# KiCad board PROC099A_PCB.kicad_pcb (continued)
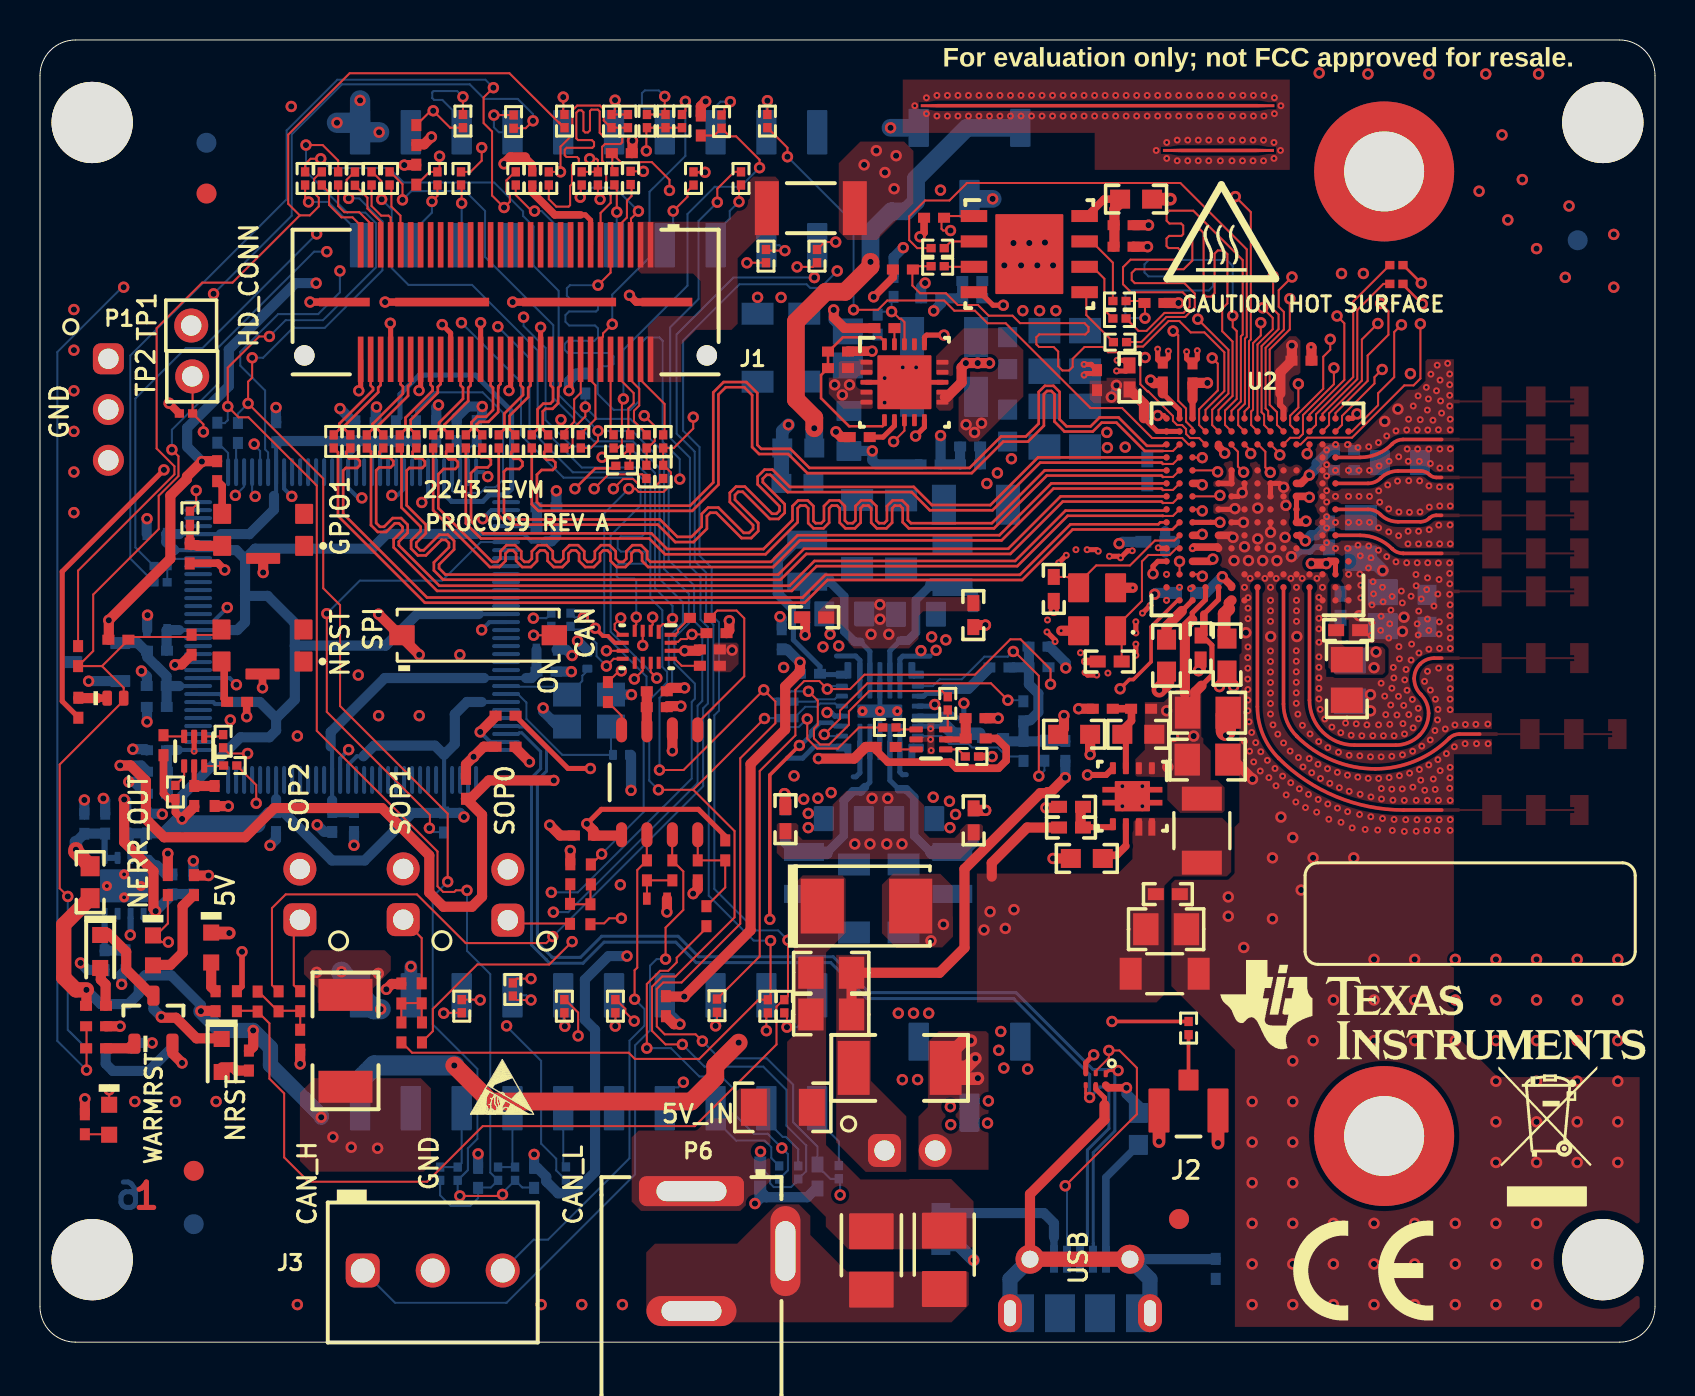
[diagram p0: board, top side]
## Routing (per net, layer and track width the routed paths; a pad name or vN(x,y) marks a point on that pad's centre or on a via; arc(x,y) is an arc through that point) (continued)
  TOP w0.127: v1(69.13,51.94) 68.17,52.91 R198.1
  L3 w0.127: v1(10.81,26.96) 11.4,27.55 21.56,27.55 22.56,28.55 22.56,29.39 23.81,30.64 28.97,30.64 v1(30.98,28.63) ; v1(69.13,51.94) 71.36,49.71 71.36,31.94 67.79,28.37 63.39,28.37 57.43,22.4 57.43,12.81 54.26,9.64 50.67,9.64 48.39,7.36 v1(40.02,7.36)
  BOTTOM w0.102: 39.93,8.17 39.52,8.17 38.93,8.77 38.88,8.77 R170.1 38.88,9.78 37.67,11 37.67,12.88 36.35,14.2 33.99,14.2 v1(33.13,15.06) ; R162.1 40.02,8.11 v1(40.02,7.36) ; v1(36.2,32.64) 36.64,32.2 36.9,32.2 R146.2 37.56,32.56 v1(38.43,32.56) ; v1(18.13,57.15) 18.57,57.59 21.27,57.59 22.26,56.6 22.26,54.29 25.67,50.88 25.67,47.25 26.71,46.21 26.71,46.07 27.71,45.07 29.66,45.07 30.98,43.74 30.98,38.18 32.15,37.01 32.15,36 31.45,35.29 31.45,33.86 31.62,33.69 31.62,32.87 30.98,32.23 v1(30.98,28.63)
AR_SPICLK1: length 93.9
  TOP w0.102: v1(28.33,34.59) U13.7 ; 60.24,46.22 60.24,46.56 60.47,46.79 60.47,50.08 60.56,50.17 60.56,56.54 v1(59.78,57.31)
  L3 w0.102: v1(28.33,34.59) 28.95,34.59 29.79,33.76 v1(37.19,33.76)
  L4 w0.127: v1(37.19,33.76) 37.19,35.15 37.92,35.87 37.92,37.1 45.15,44.34 46.94,44.34 48,45.4 48,47.53 51.63,51.16 51.63,57.69 52.28,58.34 57.27,58.34 57.52,58.59 57.52,59.32 57.3,59.54 51.91,59.54 51.64,59.81 51.64,60.64 51.88,60.88 57.23,60.88 57.5,61.15 57.5,61.88 57.27,62.12 51.89,62.12 51.63,62.38 51.63,62.94 51.95,63.26 59.37,63.26 59.78,62.84 v1(59.78,57.31)
AR_SYNC_IN: length 90.9
  TOP w0.102: 59.59,44.92 59.59,44.87 59.91,44.55 59.91,43.81 v1(60.2,43.53) ; R62.2 26.47,44.74 26.64,44.91 26.64,45.68 27.27,46.31 v1(27.27,46.79)
  L3 w0.127: v1(60.2,43.53) 59.89,43.84 59.89,44.58 59.47,45 57.95,45 56.32,43.37 50.22,43.37 48.63,41.78 39.22,41.78 33.44,47.55 30.19,47.55 30,47.74 28.23,47.74 v1(27.27,46.79)
  L4 w0.127: v1(25.67,21.51) 23.34,19.18 v1(23.34,15.82)
  BOTTOM w0.102: R196.2 v1(27.27,46.79) 27.87,46.19 29.52,46.19 31.44,44.28 31.44,39.13 32.72,37.86 32.72,36.07 33.12,35.67 33.12,32.08 32.89,31.85 32.89,27.98 26.42,21.51 v1(25.67,21.51) ; R165.1 25.82,8.59 25.82,9.18 25.06,9.93 25.06,14.07 23.34,15.8 v1(23.34,15.82)
AR_SYNC_OUT_SOP1: length 93.8
  TOP w0.102: 58.94,45.57 58.62,45.88 58.62,46.65 59.44,47.46 59.44,49.65 v1(57.91,51.18) ; 18.08,15.02 18.61,14.48 29.44,14.48 29.75,14.17 32.97,14.17 35.94,17.13 36.4,17.13 36.54,17.27 v1(36.54,20.09)
  L3 w0.127: v1(38.73,53.26) 38.73,53.35 39.63,54.25 39.81,54.25 40.6,55.04 42.04,55.04 42.9,54.18 46.47,54.18 48.42,56.13 52.03,56.13 56.99,51.18 v1(57.91,51.18)
  BOTTOM w0.102: v1(36.54,20.09) 35.69,20.09 33.45,22.34 33.45,31.48 33.68,31.71 33.68,35.9 33.31,36.27 33.31,38.5 32.74,39.07 32.74,44.55 31.84,45.45 31.84,50.43 34.68,53.26 v1(38.73,53.26)
AR_TCK: length 35.1
  TOP w0.102: v1(30.22,46.36) 30.74,45.83 30.74,45.09 30.34,44.68 30.34,43.88 R70.1 ; v1(58.13,44.25) 57.65,44.25 U2.M13
  L3 w0.127: v1(58.13,44.25) 56.82,42.95 50.51,42.95 48.98,41.42 38.86,41.42 33.15,47.13 31,47.13 v1(30.22,46.36)
AR_TDI: length 54
  TOP w0.102: v1(58.13,41.59) 58.05,41.67 U2.H13 ; R29.1 R30.1 27.9,59.14 27.83,59.21 v1(27.49,59.21)
  L3 w0.127: v1(26.05,46.15) 26.05,45.58 27.89,43.75 34.52,43.75 37.94,40.33 49.96,40.33 51.22,41.59 v1(58.13,41.59)
  L4 w0.127: v1(26.05,46.15) 23.66,48.55 23.66,50.92 22.85,51.73 22.85,53.82 25.74,56.71 25.74,57.46 v1(27.49,59.21)
AR_TDO_SOP0: length 58.9
  TOP w0.102: v1(59.01,42.37) 58.96,42.32 U2.J13 ; v1(32.67,46.28) 32.67,45.71 31.69,44.74 R67.2 31.17,43.9 31.56,43.51 31.56,42.91 31.19,42.54 29.94,42.54 29.78,42.7 v1(29.45,42.7) ; 27.57,23.9 v1(28.09,24.42)
  L3 w0.127: v1(32.67,46.28) 38.31,40.64 49.57,40.64 50.94,42 57.46,42 57.83,42.37 v1(59.01,42.37)
  BOTTOM w0.102: v1(28.09,24.42) 30.19,26.52 30.19,32.48 30.33,32.63 30.33,33.3 28.22,35.42 28.22,41.47 v1(29.45,42.7)
AR_TMS: length 39.1
  TOP w0.102: U2.L13 58.82,43.62 v1(58.9,43.54) ; v1(28.11,44.27) 29.05,44.27 R65.2 29.51,43.9 R69.1
  L3 w0.127: v1(58.9,43.54) 58.04,43.54 56.93,42.44 50.68,42.44 49.24,41 38.68,41 32.89,46.79 32.07,46.79 29.55,44.27 v1(28.11,44.27)
AR_VBGAP: length 2.3
  TOP w0.381: v1(59.13,38.3) 59.59,37.84 U2.B10
  BOTTOM w0.508: v1(59.13,38.3) 58.32,37.49 C56.1
AR_VOUT_PA:
  vias: v1(66.72,33.74) v1(66.82,34.53)
AR_VSENSE: length 61.9
  TOP w0.102: U2.C14 v1(56.99,39.07)
  L3 w0.127: 3.4,49.21 5.05,47.57 5.05,43.06 7.92,40.19 12.53,40.19 12.98,39.74 37.08,39.74 37.31,39.52 50.5,39.52 51.48,40.5 55.56,40.5 v1(56.99,39.07)
AR_WARMRST: length 99.5
  TOP w0.102: v1(31.48,57.62) 31.48,58.16 30.6,59.04 29.05,59.04 28.62,59.46 ; v1(55.27,49.26) 55.03,49.03 55.03,47.93 55.39,47.57 55.43,47.57 56.66,46.34 56.66,46.1 56.87,45.88 57.12,45.88 57.32,45.69 57.32,45.44 57.52,45.24 57.97,45.24 58.29,44.92 ; R18.1 28.62,58.67 28.62,59.46 ; 28.62,59.46 R15.1 ; 3.46,11.85 v1(3.46,12.62)
  L3 w0.127: v1(55.27,49.26) 49.75,49.26 45.48,53.54 40.56,53.54 40.09,53.07 39.29,53.07 38.85,52.63 37.91,52.63 35.39,55.14 33.96,55.14 v1(31.48,57.62)
  L4 w0.127: v1(3.46,12.62) 4.57,12.62 7.16,15.22 8.02,15.22 10.96,18.16 10.96,26.11 11.8,26.94 11.8,32.56 21.56,42.32 23.63,42.32 28.1,46.79 28.1,47.86 31.91,51.67 31.91,55.8 32.19,56.08 32.19,56.91 v1(31.48,57.62)
AR_XTALM: length 7.7
  TOP w0.102: C9.1 51.4,38.29 Y1.3 51.94,37.98 52.83,38.86 54.52,38.86 55.76,40.11 56.73,40.11 U2.F14
AR_XTALP: length 7.8
  TOP w0.102: C15.2 54.1,35.29 Y1.1 53.79,35.77 55.11,37.08 55.11,39.06 55.43,39.39 56.5,39.39 56.83,39.72 U2.E14
CAN_RX: length 3.4
  TOP w0.102: v1(30.14,34.86) U13.3 ; R12.1 28.97,33.59 v1(29.08,33.59)
  L4 w0.102: v1(30.14,34.86) 29.59,34.31 29.59,34.1 v1(29.08,33.59)
CAN_TX: length 1.4
  TOP w0.102: U13.16 31.76,35.39 31.91,35.55 31.91,35.64 R11.1 ; 32.48,36.26 32.5,36.29
CS1: length 73.6
  TOP w0.102: U13.11 30.54,33.53 v1(30.85,33.23) ; R14.1 19.54,61.61 v1(19.67,61.61) 20.51,60.76 R1.2 ; R17.1 v1(30.18,58.58)
  L3 w0.127: v1(19.67,61.61) 19.21,61.61 18.5,60.9 18.5,59.37 19.45,58.43 25.16,58.43 25.82,59.08 26.79,59.08 27.29,58.58 v1(30.18,58.58)
  L4 w0.127: v1(19.67,61.61) 20.85,60.43 20.85,59 21.87,57.98 21.87,56.12 21.56,55.82 17.12,55.82 16.95,55.64 16.95,55.04 17.11,54.87 21.22,54.87 21.41,54.69 21.41,54.09 21.21,53.89 17.12,53.89 16.95,53.72 16.95,53.14 17.14,52.95 20.8,52.95 21.08,52.67 v1(21.08,51)
  BOTTOM w0.102: v1(21.08,51) 24.06,48.03 24.06,45.38 26.19,43.25 29.61,43.25 30.04,42.83 30.04,41.86 28.54,40.36 28.54,35.54 29.79,34.29 29.79,34.29 v1(30.85,33.23)
D_LOGGER: length 5.4
  TOP w0.102: R1.1 v1(21.15,62.3)
  BOTTOM w0.102: J6.6 21.09,61.19 20.12,62.15 19.71,62.15 19.62,62.24 19.62,62.53 19.69,62.6 20.86,62.6 v1(21.15,62.3)
HD_LVDS_VALID_N: length 4.5
  TOP w0.132: R60.1 24.89,45.69 24.89,46.67 25.17,46.96 25.52,46.96 25.66,47.09 25.66,47.75 25.54,47.87 25.54,49.17
HD_LVDS_VALID_P: length 4.5
  TOP w0.132: 26.04,49.17 26.04,47.87 25.92,47.75 25.92,46.98 25.63,46.7 25.28,46.7 25.14,46.57 25.14,45.66 R61.1
HD_LVDSCSI0_N: length 4.6
  TOP w0.132: R48.1 14.98,45.68 14.98,45.96 16.66,47.64 16.66,47.75 16.54,47.87 16.54,49.17
HD_LVDSCSI0_P: length 4.6
  TOP w0.132: 17.04,49.17 17.04,47.88 16.92,47.76 16.92,47.53 15.23,45.85 15.23,45.68 R49.1
HD_LVDSCSI1_N: length 4.6
  TOP w0.132: 18.04,49.17 18.04,47.92 18.15,47.81 18.15,47.45 16.63,45.93 16.63,45.68 R50.1
HD_LVDSCSI1_P: length 4.6
  TOP w0.132: 18.54,49.17 18.54,47.96 18.41,47.83 18.41,47.35 16.89,45.82 16.89,45.68 R51.1
HD_LVDSCSI2_N: length 4.4
  TOP w0.132: R54.1 19.96,45.69 19.96,46 21.16,47.2 21.16,47.75 21.04,47.87 21.04,49.17
HD_LVDSCSI2_P: length 4.4
  TOP w0.132: 21.54,49.17 21.54,47.87 21.42,47.75 21.42,47.09 20.22,45.89 20.22,45.67 R55.1
HD_LVDSCSI3_N: length 4.7
  TOP w0.132: 22.54,49.17 22.54,47.87 22.66,47.75 22.66,46.64 22.32,46.3 21.86,46.3 21.58,46.02 21.58,45.68 R56.1
HD_LVDSCSI3_P: length 4.7
  TOP w0.132: 23.04,49.17 23.04,47.94 22.93,47.83 22.93,47.76 22.92,47.75 22.92,46.53 22.43,46.05 21.97,46.05 21.84,45.91 21.84,45.68 R57.1
HD_LVDSCSI_CLK_N: length 4.5
  TOP w0.132: R52.1 18.28,45.68 18.28,46.25 19.64,47.61 19.64,47.79 19.54,47.89 19.54,49.17
HD_LVDSCSI_CLK_P: length 4.5
  TOP w0.132: R53.1 18.54,45.68 18.54,46.14 19.9,47.5 19.9,47.79 20.04,47.93 20.04,49.17
HD_LVDSCSI_FRCLK_N: length 4.3
  TOP w0.132: R58.1 23.23,45.68 23.23,46.46 24.16,47.39 24.16,47.75 24.04,47.87 24.04,49.17
HD_LVDSCSI_FRCLK_P: length 4.3
  TOP w0.132: R59.1 23.49,45.68 23.49,46.35 24.42,47.28 24.42,47.75 24.54,47.87 24.54,49.17
LDO_01_EN: length 2.7
  TOP w0.305: 52.06,25.77 53.66,25.77
  TOP w0.508: 52.06,25.77 52.04,25.75 52.04,26.78
LDO_02_EN: length 9.8
  TOP w0.127: U5.20 42.23,50.08 42.04,50.27 40.15,50.27 39.41,49.53 R46.2 39.06,48.38 39.06,47.23 40.47,45.83 42.14,45.83 42.23,45.92 U5.6
MCU_3V3: length 80.1
  TOP w0.889: v1(20.72,13.84) 22.52,12.04 32.57,12.04 33.77,13.24 33.77,13.81 v1(34.94,14.99) ; v1(41.54,54.05) 41.54,53.82 40.27,52.55 39.3,52.55 37.8,51.06 37.8,47.16 38.72,46.24 v1(38.72,45.72)
  L4 w0.889: v1(34.94,14.99) 34.94,32.59 33.51,34.02 33.51,40.51 v1(38.72,45.72)
  BOTTOM w0.889: R130.1 v1(38.72,45.72) ; v1(41.54,54.05) 41.54,55.53 42.58,56.58 43.32,56.58 43.81,57.07 43.81,58.21 46.35,60.76 J4.3
  BOTTOM w1.016: J5.1 16.01,13.12 16.73,13.84 v1(20.72,13.84)
MCU_5V: length 2.9
  BOTTOM w1.016: v1(17.04,16.66) 16.7,16.66 J5.2 16.01,17.55 15.08,18.48 v1(15.08,18.53)
  vias: v1(13.84,18.5) v1(16.92,18.45) v1(47.95,14.61) v1(48.05,15.54) v1(48.2,13.72) v1(49.4,13.67)
MCU_SOP0: length 46.4
  TOP w0.102: v1(37.87,53.8) 38.65,53.8 R36.1 ; 27.53,20.95 27.54,20.96 28.21,20.96 28.47,21.21 v1(29.08,21.21)
  L4 w0.102: v1(29.08,21.21) 28.38,21.21 23.77,25.82 23.77,36.28 25.47,37.98 27.66,37.98 31.47,41.79 31.47,43.39 32.35,44.27 33.95,44.27 38.38,48.7 38.38,52.52 37.87,53.04 v1(37.87,53.8)
MCU_SOP1: length 56.6
  TOP w0.102: v1(35.36,54) 35.43,54 35.43,54.01 R35.1 ; 19.1,15.02 19.65,15.56 19.65,16.67 21.87,18.9 25.47,18.9 v1(26.61,20.04)
  L4 w0.102: v1(26.61,20.04) 26.61,22.33 23.34,25.6 23.34,36.49 25.3,38.45 27.64,38.45 31.05,41.86 31.05,43.46 32.4,44.81 34,44.81 37.99,48.8 37.99,52.39 36.38,54 v1(35.36,54)
MCU_SOP2: length 63.7
  TOP w0.102: 11.93,17.53 11.6,17.86 11.6,21.72 12.29,22.4 18.85,22.4 21.29,19.97 25.32,19.97 v1(25.65,20.29) ; v1(33.87,57.03) 33.87,57.71 34.72,58.55 R32.1
  BOTTOM w0.102: v1(25.65,20.29) 33.17,27.81 33.17,31.71 33.4,31.95 33.4,35.78 33.03,36.15 33.03,38.29 32.51,38.82 32.51,44.25 31.52,45.24 31.52,50.77 32.94,52.19 32.94,56.1 v1(33.87,57.03)
MISO1: length 53.6
  TOP w0.102: v1(30.32,59.6) 30.32,60.73 R3.2 R6.2 R63.2 ; U13.1 30.94,35.73 31.15,35.93 31.37,35.93 v1(31.63,36.2)
  L4 w0.102: v1(30.32,59.6) 30.84,59.09 30.84,56.16 31.38,55.62 31.38,54.9 31.12,54.63 24.3,54.63 23.91,54.25 23.91,53.62 24.14,53.39 31.05,53.39 31.37,53.06 31.37,51.93 31.05,51.6 24.51,51.6 v1(24.18,51.28)
  BOTTOM w0.102: v1(31.63,36.2) 31.63,36.84 30.76,37.72 30.76,43.49 29.43,44.82 26.6,44.82 25.29,46.13 25.29,49.74 24.18,50.84 v1(24.18,51.28)
MOSI1: length 42.5
  TOP w0.102: U13.4 29.74,35.82 29.82,35.9 v1(29.82,36.27) ; R28.1 v1(26.03,58.55) 26.03,59.82 26.62,60.4 26.62,61.62 26.87,61.87 28.01,61.87 28.19,61.68 28.19,61.12 28.55,60.76 R4.2 R5.2
  L4 w0.102: v1(26.03,58.55) 25.11,58.55 24.01,57.45 24.01,56.23 22.26,54.48 22.26,51.45 v1(22.9,50.81)
  BOTTOM w0.102: v1(22.9,50.81) 24.48,49.23 24.48,45.69 26.65,43.52 29.79,43.52 30.27,43.05 30.27,40.47 30.1,40.31 29.05,40.31 28.89,40.16 28.89,39.71 29.05,39.55 30.26,39.55 30.3,39.51 30.3,39 30.25,38.94 28.95,38.94 28.85,38.84 28.85,38.31 28.95,38.2 29.72,38.2 29.82,38.1 v1(29.82,36.27)
NetC1_2: length 4.6
  TOP w0.381: C1.2 53.21,57.19 52.37,56.34 52.33,56.34
  TOP w0.508: R37.2 53.74,55.92 ; 53.74,55.92 53.74,56.69 54.02,56.97 C1.2 ; 53.74,55.92 53.74,54.84 53.7,54.81
NetC16_2: length 1.9
  TOP w0.508: 30.35,30.64 30.35,32.5
NetC18_2: length 4.2
  TOP w0.305: U4.3 54.31,30.24 C18.2
  TOP w0.381: 53.63,31.69 54.59,31.69 54.59,31.69 54.59,31.09 54.13,30.63 C18.2
NetC22_1: length 2.4
  TOP w0.305: 54.31,24.82 U4.6
  TOP w0.381: 53.16,24.35 53.16,24.36 53.84,24.36 54.31,24.82
NetC24_2: length 2.2
  TOP w0.102: 30.36,22.19 R87.2 R85.1
NetC28_1: length 10.3
  TOP w0.254: U5.10 44.23,45.78 v1(43.79,45.33)
  L4 w0.254: v1(43.79,45.33) 44.6,46.14 44.6,50.94 44.69,51.04 v1(44.69,51.6)
  BOTTOM w0.508: C28.1 R122.1 R121.2 45.07,51.97 v1(44.69,51.6)
NetC29_2: length 1.7
  TOP w0.254: C29.2 42.17,45.28 42.73,45.85 U5.7
NetC44_2: length 0.8
  TOP w0.102: U5.19 C44.2
NetC46_1: length 9.9
  TOP w0.254: U5.16 44.23,50.28 44.34,50.39 v1(45.21,50.39)
  L4 w0.254: v1(45.21,50.39) 45.21,49.83 45.38,49.66 45.38,45.7 v1(45.04,45.36)
  BOTTOM w0.508: 46.01,44.69 46.04,44.69 ; 46.01,44.69 C46.1 R132.2 v1(45.04,45.36) ; 46.01,44.69 46.01,44.81
NetC71_2: length 4.4
  TOP w0.508: 22.8,29.79 22.19,29.79 v1(21.69,29.29) 21.3,28.91 21.3,28.17
  BOTTOM w0.203: v1(21.69,29.29) 22.03,29.63 U6.96
NetC78_1: length 10
  TOP w0.508: v1(5.78,21.56) 5.68,21.67 5.68,23.55 4.21,25.02 v1(4.21,27.15)
  BOTTOM w0.305: v1(5.78,21.56) 5.45,21.23 5.18,21.23
  BOTTOM w0.508: v1(4.21,27.15) 4.24,27.15 4.31,27.07 C78.1 4.31,26.44 ; v1(5.78,21.56) R156.1 6.62,22.42 7.66,22.42 7.67,22.41
NetC79_2: length 5
  TOP w0.762: v1(1.8,24.64) 1.8,24.54 2.51,23.83 R176.1
  BOTTOM w0.305: U9.2 U9.1 3.23,25.42
  BOTTOM w0.381: 3.26,25.45 3.23,25.42
  BOTTOM w0.508: 1.8,25.02 2.22,25.44 3.25,25.44
  BOTTOM w0.635: v1(1.8,24.64) 1.8,25.02
NetC84_2: length 2.1
  TOP w0.305: 46.32,30.21 46.27,30.16 U11.5
  TOP w0.508: 46.32,30.21 46.3,30.22 46.3,31.22
NetC85_1: length 2
  TOP w0.254: 7.71,27.81 7.71,28.77 ; 7.71,27.81 7.71,27.81 ; 7.71,27.81 7.71,27.75
  TOP w0.508: R187.1 C85.1
NetC86_1: length 1.5
  TOP w0.483: 38.22,36.27 38.27,36.22 v1(38.27,35.38)
  BOTTOM w0.508: v1(38.27,35.38) R190.1
NetC87_1: length 1.2
  TOP w0.5: 46.68,35.88 v1(47.29,35.88)
  BOTTOM w0.5: v1(47.29,35.88) 46.72,35.88 R191.1
NetC88_1: length 1.6
  TOP w0.559: 37.27,26.66 37.27,27.4 v1(37.23,27.44)
  BOTTOM w0.559: 37.28,26.64 37.28,27.4 v1(37.23,27.44)
NetC89_1: length 1.2
  TOP w0.559: 46.68,26.61 v1(47.3,26.61)
  BOTTOM w0.5: 46.67,26.61 v1(47.3,26.61)
NetD2_1: length 1.4
  TOP w0.381: 2.87,32.22 D2.1
  TOP w0.508: 1.92,32.22 2.87,32.22
NetDS1_1: length 4.9
  TOP w0.508: 7.7,22.39 7.13,21.82 7.13,19.48 6.52,18.88 5.65,18.88
NetDS2_1: length 1.4
  TOP w0.508: R100.1 8.56,17.78 8.56,18.89
NetDS3_1: length 2.1
  TOP w0.508: 3.04,18.87 3.04,18.13 3.28,17.9 3.28,16.83
NetDS3_2: length 4.5
  TOP w0.508: 3.04,20.47 3.38,20.47 4.31,19.53 4.31,18.65 5.67,17.29
NetDS4_1: length 1.4
  TOP w0.508: 9.1,13.75 9.65,13.75 9.82,13.59 R117.1
NetDS4_2: length 4.7
  TOP w0.508: 6.06,16.23 6.8,16.23 7.83,15.2 9.1,15.2
  BOTTOM w0.508: Q2.3 5.67,16.67 v1(6.06,16.28)
NetDS5_1: length 1.2
  TOP w0.102: R189.1 3.46,10.4
NetJ1_4: length 4.3
  TOP w0.102: 30.04,49.17 30.04,48.14 31.24,46.94 31.24,45.46 R67.1
NetJ1_5: length 6.2
  TOP w0.102: v1(27.02,57.28) 27.02,57.25 27.04,57.25 27.04,57.85 R29.2 ; v1(29.93,56.59) 29.56,56.21 29.56,54.92 J1.5
  BOTTOM w0.102: v1(27.02,57.28) 27.08,57.28 27.55,57.76 28.76,57.76 v1(29.93,56.59)
NetJ1_6: length 4.3
  TOP w0.102: 29.54,49.17 29.54,48.13 29.97,47.7 29.97,46.86 29.71,46.6 29.71,46.08 30.34,45.45 R66.1
NetJ1_7: length 3.3
  TOP w0.102: J1.7 29.04,55.95 29.35,56.27 29.35,57.11 29.59,57.34 29.59,57.87 R17.2
NetJ1_8: length 4.2
  TOP w0.102: 29.04,49.17 29.04,48.14 29.69,47.49 29.69,46.98 29.43,46.72 29.43,45.48 R65.1
NetJ1_9: length 44.2
  TOP w0.102: v1(27.91,52.88) 28.54,53.51 28.54,54.91
  L4 w0.102: v1(24.67,36.22) 25.95,37.5 28.01,37.5 32,41.48 v1(32,43.18)
  BOTTOM w0.102: v1(32,43.18) 32,44.19 31.14,45.04 31.14,50.1 30.97,50.27 30.34,50.27 29.95,49.88 29.95,47.08 29.52,46.65 28.69,46.65 27.9,47.44 27.9,48.67 28.05,48.83 28.57,48.83 28.69,48.95 28.69,49.32 28.52,49.49 26.39,49.49 26.25,49.64 26.25,49.95 26.4,50.1 27.73,50.1 27.91,50.28 27.91,50.72 27.76,50.87 26.46,50.87 26.28,51.05 26.28,51.38 26.46,51.57 27.81,51.57 27.91,51.66 27.91,52.01 27.74,52.18 26.53,52.18 26.35,52.36 26.35,52.73 26.5,52.88 v1(27.91,52.88) 27.91,52.79 ; v1(24.67,36.22) 25.32,36.22 R75.2
NetJ1_10: length 3.8
  TOP w0.102: R64.1 28.54,45.54 28.54,49.17
NetJ1_11: length 21.8
  TOP w0.102: J1.11 28.04,56.5 28.54,57 28.54,57.37 28.32,57.6 28.32,58.9 28.12,59.11 28.12,59.81 28.25,59.95 29.03,59.95 29.12,60.03 29.12,60.3 29.07,60.35 28.15,60.35 27.99,60.51 27.99,61.57 27.9,61.67 27.58,61.67 27.51,61.6 27.51,60.63 27.4,60.52 27.26,60.52 27.18,60.61 27.18,61.54 27.08,61.63 26.94,61.63 26.82,61.51 26.82,60.23 26.91,60.14 27.6,60.14 27.71,60.03 27.71,59.84 27.62,59.75 26.33,59.75 26.24,59.67 26.24,59.38 26.33,59.3 26.86,59.3 26.95,59.21 26.95,59.02 26.89,58.96 26.67,58.96 26.6,58.89 26.6,57.94 26.51,57.85 26.51,56.89 26.44,56.81 25.82,56.81 25.45,57.19 R28.2
NetJ1_12: length 15.4
  TOP w0.102: J1.12 28.04,50.19 28.16,50.31 28.16,50.47 v1(28.62,50.93) ; v1(32.28,62.08) 32.28,61.6 32.11,61.43
  BOTTOM w0.102: v1(32.28,62.08) 32.28,59.35 30.48,57.55 30.48,54.27 28.62,52.41 v1(28.62,50.93)
NetJ1_13: length 5.1
  TOP w0.254: 27.54,54.91 27.54,56.14 27.27,56.4 27.04,56.4
  TOP w0.381: 27.04,56.4 25.75,56.4 24.62,57.53 R27.2
NetJ1_14: length 4.2
  TOP w0.102: J1.14 27.54,48.12 27.78,47.88 27.78,46.18 27.05,45.45 27.05,45.4
NetJ1_16: length 4.1
  TOP w0.102: R62.1 26.23,45.56 26.71,46.05 26.71,47.17 27.04,47.5 27.04,49.16 27.04,49.17
NetJ1_51: length 3.2
  TOP w0.102: R23.2 17.58,57.8 17.58,56.81 18.03,56.36 18.03,54.92 18.04,54.91
NetJ1_53: length 3.6
  TOP w0.102: 17.54,54.91 17.54,56.26 17.44,56.36 17.06,56.36 16.58,56.84 R22.2
NetJ1_55: length 3.5
  TOP w0.102: R33.2 16.38,57.26 16.38,56.72 17.04,56.06 17.04,54.91
NetJ1_57: length 4.1
  TOP w0.102: R21.2 14.91,56.84 15.22,56.54 15.97,56.54 16.54,55.97 J1.57
NetJ1_59: length 4.1
  TOP w0.102: J1.59 16.04,55.87 15.63,56.28 15.08,56.28 14.46,56.9 14.46,57.53 R20.2
NetJ2_1: length 2.3
  TOP w0.18: J2.1 57.44,15.38
NetJ3_1: length 35.4
  TOP w0.102: v1(31.29,19.16) 31.29,20.74 32.17,21.63 32.17,23.55 31.62,24.11 31.62,25.34
  BOTTOM w0.102: v1(31.29,19.16) 30.84,19.16 30.51,18.83 30.51,15.6 29.76,14.85 29.76,8.4 23.33,1.97 17.76,1.97 J3.1
NetJ3_3: length 25.6
  TOP w0.102: 30.35,25.34 30.35,24.1 29.87,23.62 29.87,18.74 29.74,18.61 v1(29.74,17.16)
  BOTTOM w0.102: J3.3 24.69,5.13 25.41,5.13 29.48,9.2 29.48,15.09 30.23,15.83 30.23,16.66 v1(29.74,17.16)
NetJ5_5: length 3.9
  BOTTOM w0.102: R169.2 R168.2 21.09,8.96 J5.5
NetJ5_6: length 2.6
  TOP w0.102: v1(20.19,16.46) 20.36,16.46 20.36,16.48 R104.1
  BOTTOM w0.102: v1(20.19,16.46) 20.92,16.46 21.09,16.62 J5.6
NetJ5_7: length 3.8
  BOTTOM w0.102: 23.73,8.76 R166.2 ; 23.73,8.76 R167.2 ; 23.73,8.76 23.63,8.86 J5.7
NetJ5_8: length 2
  TOP w0.102: v1(24.56,17.12) 23.85,17.12 R94.1
  BOTTOM w0.102: J5.8 24.32,17.35 v1(24.56,17.12)
NetJ5_9: length 3
  BOTTOM w0.102: R165.2 26.17,8.9 J5.9
NetJ5_10: length 2.3
  TOP w0.102: R105.1 26.23,15.83 v1(26.25,15.8)
  BOTTOM w0.102: J5.10 26.17,15.88 v1(26.25,15.8)
NetJ5_12: length 2.3
  TOP w0.102: R106.1 28.78,15.82 v1(28.77,15.81)
  BOTTOM w0.102: J5.12 28.71,16.5 28.8,16.41 28.8,15.84 v1(28.77,15.81)
NetJ5_13: length 35.7
  L4 w0.127: v1(27.17,36.26) 26.8,36.26 25.72,35.18 25.72,32.55 26.25,32.02 26.25,25.6 25.76,25.12 25.76,24.48 28.45,21.79 29.26,21.79 29.74,21.31 29.74,20.86 27.93,19.05 27.93,13.2 28.12,13 28.85,13 29.11,13.26 29.11,13.92 29.22,14.03 29.78,14.03 29.94,13.88 29.94,13.23 30.16,13 v1(32.18,13)
  BOTTOM w0.102: v1(27.17,36.26) 26.74,36.26 R76.2 ; J5.13 31.25,12.31 31.69,12.75 31.92,12.75 v1(32.18,13)
NetJ5_14: length 2.6
  TOP w0.508: 31.31,16.33 R107.1 31.71,15.91 v1(32.01,15.91)
  BOTTOM w0.508: v1(32.01,15.91) 31.25,16.67 J5.14
NetJ5_15: length 5
  BOTTOM w0.102: J5.15 33.79,11.1 34.81,10.08 36.25,10.08 36.57,9.76 36.57,9.22 R164.2
NetJ5_16: length 2.2
  TOP w0.102: R102.1 33.86,15.89 v1(33.79,15.82)
  BOTTOM w0.102: v1(33.79,15.82) J5.16
NetJ5_17: length 3.6
  BOTTOM w0.102: R163.2 37.92,9.65 37.3,10.27 37.15,10.27 36.33,11.09 J5.17
NetJ5_18: length 2.7
  TOP w0.102: v1(36.33,15.58) 36.33,16.4 R108.1
  BOTTOM w0.102: v1(36.33,15.58) J5.18
NetJ5_19: length 3.3
  BOTTOM w0.102: R162.2 39.95,10.04 38.87,11.13 J5.19
NetJ5_20: length 3.3
  TOP w0.102: R109.1 37.36,16.34 v1(37.36,15.76)
  BOTTOM w0.102: J5.20 38.87,16.76 37.87,15.76 v1(37.36,15.76)
NetJ6_1: length 4.7
  TOP w0.102: R19.2 13.26,57.22 v1(13.43,57.05)
  BOTTOM w0.102: v1(13.43,57.05) 14.42,57.05 16.01,55.46 J6.1
NetJ6_3: length 3.6
  TOP w0.102: R24.2 19.88,57.35 v1(19.6,57.07)
  BOTTOM w0.102: J6.3 18.55,55.46 19.6,56.52 v1(19.6,57.07)
NetJ6_5: length 3
  TOP w0.102: v1(21.09,56.98) 21.09,57.86 R25.2
  BOTTOM w0.102: J6.5 v1(21.09,56.98)
NetJ6_8: length 2.6
  TOP w0.102: v1(22.7,61.39) 23.68,61.39 R9.1
  BOTTOM w0.102: J6.8 22.95,60.53 22.7,60.78 v1(22.7,61.39)
NetJ6_9: length 4.3
  TOP w0.102: R26.2 23.79,57.89 23.79,57.4 24.67,56.52 v1(24.73,56.59)
  BOTTOM w0.102: J6.9 26.17,55.51 25.09,56.59 v1(24.73,56.59)
NetJ6_10: length 2.7
  TOP w0.102: R2.1 26.17,61.49 v1(26.17,62.29)
  BOTTOM w0.102: J6.10 v1(26.17,62.29)
NetJ6_11: length 3.1
  TOP w0.102: v1(28.85,56.54) 28.85,57.78 R18.2
  BOTTOM w0.102: v1(28.85,56.54) 28.85,55.02 J6.11
NetJ6_12: length 3.2
  TOP w0.102: R5.1 R4.1 28.76,61.6 v1(28.76,62.14)
  BOTTOM w0.102: J6.12 28.71,62.09 v1(28.76,62.14)
NetJ6_13: length 3.6
  TOP w0.102: R31.2 32.38,57.59 32.38,57.31 v1(31.67,56.59)
  BOTTOM w0.102: v1(31.67,56.59) 31.67,55.96 31.25,55.54 J6.13
NetJ6_14: length 5.9
  TOP w0.102: R3.1 R6.1 31.25,61.46 v1(31.25,62.33)
  BOTTOM w0.102: J6.14 31.25,61.13 30.66,61.72 30.22,61.72 30.11,61.84 30.11,62.49 30.25,62.63 30.95,62.63 v1(31.25,62.33)
NetJ6_15: length 3.5
  TOP w0.102: R32.2 34.96,57.79 v1(34.96,57.06)
  BOTTOM w0.102: J6.15 33.79,55.51 34.5,56.22 34.5,56.6 v1(34.96,57.06)
NetJ6_16: length 3
  TOP w0.102: R10.1 34.23,61.54 34.23,61.77 v1(34.53,62.06)
  BOTTOM w0.102: v1(34.53,62.06) 34.03,62.06 33.79,61.82 J6.16
NetJ6_17: length 2
  TOP w0.102: v1(37.26,54.61) 36.37,54.61 R35.2
  BOTTOM w0.102: v1(37.26,54.61) 36.98,54.88 J6.17
NetJ6_18: length 2.3
  TOP w0.102: R8.1 v1(36.38,62.11)
  BOTTOM w0.102: v1(36.38,62.11) 36.33,62.06 J6.18
NetJ6_19: length 2.1
  TOP w0.102: R36.2 39.24,55.04 v1(39.8,55.04)
  BOTTOM w0.102: v1(39.8,55.04) 39.03,55.04 J6.19
NetJ8_1: length 6.4
  BOTTOM w0.254: 53.31,4.15 J8.1
  BOTTOM w0.381: 53.31,4.15 53.31,8.24 R161.1
NetJ8_5: length 7.7
  BOTTOM w0.381: 50.71,4.15 J8.5 50.71,5.24
  BOTTOM w0.508: 50.71,5.24 50.71,5.95 50.2,6.46 45.05,6.46
NetJ8_6: length 25.9
  TOP w0.254: U10.5 52.8,12.66 53.24,12.23 53.24,11.87
  TOP w0.508: J8.10 49.51,7.41 53.24,11.13 53.24,11.87
  TOP w0.762: J8.10 J8.11
  BOTTOM w0.508: J8.11 58.8,4.15
  BOTTOM w0.762: J8.9 48.51,3.15 J8.10 ; J8.6 55.51,3.15 J8.11
NetP2_1: length 3.6
  TOP w0.102: 19.09,17.93 19.09,20.22 P2.1
NetP3_1: length 3.8
  TOP w0.102: P3.1 12.69,20.83 12.69,17.86 13.01,17.54
NetP4_1: length 3.2
  TOP w0.102: 26.51,20.95 23.56,20.95 P4.1
NetQ1_1: length 1.6
  TOP w0.508: 3.29,14.7 4.44,14.7 4.72,14.99
NetQ2_1: length 5
  BOTTOM w0.508: 3.29,14.69 3.29,13.93 3.64,13.57 5.44,13.57 6.62,14.76 6.62,14.97
NetR11_2: length 8.6
  TOP w0.102: R11.2 33.87,36.6 34.84,36.6 35.22,36.22 35.22,33.32 32.9,30.99 U3.1
NetR12_2: length 1.7
  TOP w0.102: U3.4 29.09,31.34 R12.2
NetR39_2: length 1.6
  TOP w0.102: U1.2 45.56,55.07 R39.2
NetR40_1: length 3.7
  TOP w0.102: R40.1 53.66,54.01 52.59,55.07 U1.7
NetR42_2: length 1.5
  TOP w0.102: U1.3 45.25,53.8 R42.2
NetR44_1: length 3.4
  TOP w0.102: U1.6 52.64,53.8 53.23,53.21 53.23,51.64 R44.1
NetR45_1: length 3.1
  TOP w0.102: 52.33,52.53 52.33,51.39 53.68,50.03
NetR68_1: length 1.8
  TOP w0.381: 8.86,43.1 9.11,42.85 SW1.4
NetR72_1: length 2.6
  TOP w0.381: 7.49,39.94 7.5,39.95 R72.1
  TOP w0.508: 7.49,39.94 7.54,39.88 7.84,39.88 7.88,39.84 SW1.2
NetR79_2: length 2.1
  TOP w0.381: SW2.2 9.21,33.92 9.21,32.2 9.38,32.04
NetR86_1: length 5.3
  TOP w0.102: R177.1 34.27,22.75 R178.2 R86.1 U3.8
NetR88_2: length 3.1
  TOP w0.102: 26.52,22.93 26.51,22.92 R92.1 26.51,21.91 R93.1 27.53,22.9 27.55,22.92
NetR95_1: length 3
  TOP w0.102: 19.1,15.98 19.09,15.99 19.09,16.97 19.08,16.96 18.07,16.96 18.07,15.98 18.08,15.98
NetR98_2: length 3.5
  TOP w0.102: 13.01,15.61 13.01,15.61 13.01,16.58 11.94,16.58 11.93,16.57 11.89,16.57 10.93,17.54 R98.2
NetR123_1: length 1.8
  BOTTOM w0.102: U6.63 21.41,44.67 21.84,45.1
NetR124_1: length 12.8
  BOTTOM w0.102: U6.61 20.62,43.52 20.62,42.6 20.72,42.49 22.02,42.49 22.29,42.77 22.78,42.77 23.16,43.15 23.16,46.5 22.14,47.52 19.76,47.52 18.81,46.58 18.81,46.06
NetR125_1: length 12.8
  TOP w0.102: U13.15 31.59,35.04 31.91,35.04 32.05,35.18 32.34,35.18 32.58,35.41 ; R125.1 33.27,35.41 v1(32.61,35.41) ; v1(24.69,35.37) S1.2
  L4 w0.102: v1(32.61,35.41) 32.61,36.24 31.76,37.08 26.99,37.08 25.28,35.37 v1(24.69,35.37)
NetR126_1: length 1.6
  BOTTOM w0.152: U6.62 21.01,44.93 20.84,45.1
NetR127_1: length 16.9
  BOTTOM w0.203: 20.21,42.45 U6.60
  BOTTOM w0.254: 20.21,42.45 20.59,42.06 22.14,42.06 22.47,42.39 23.29,42.39 23.59,42.69 23.59,46.58 21.78,48.38 18.97,48.38 18,47.42 18,46.26 17.8,46.06
